# KiCad board H.A.V.O.C. PCB V 1.0.kicad_pcb (continued)
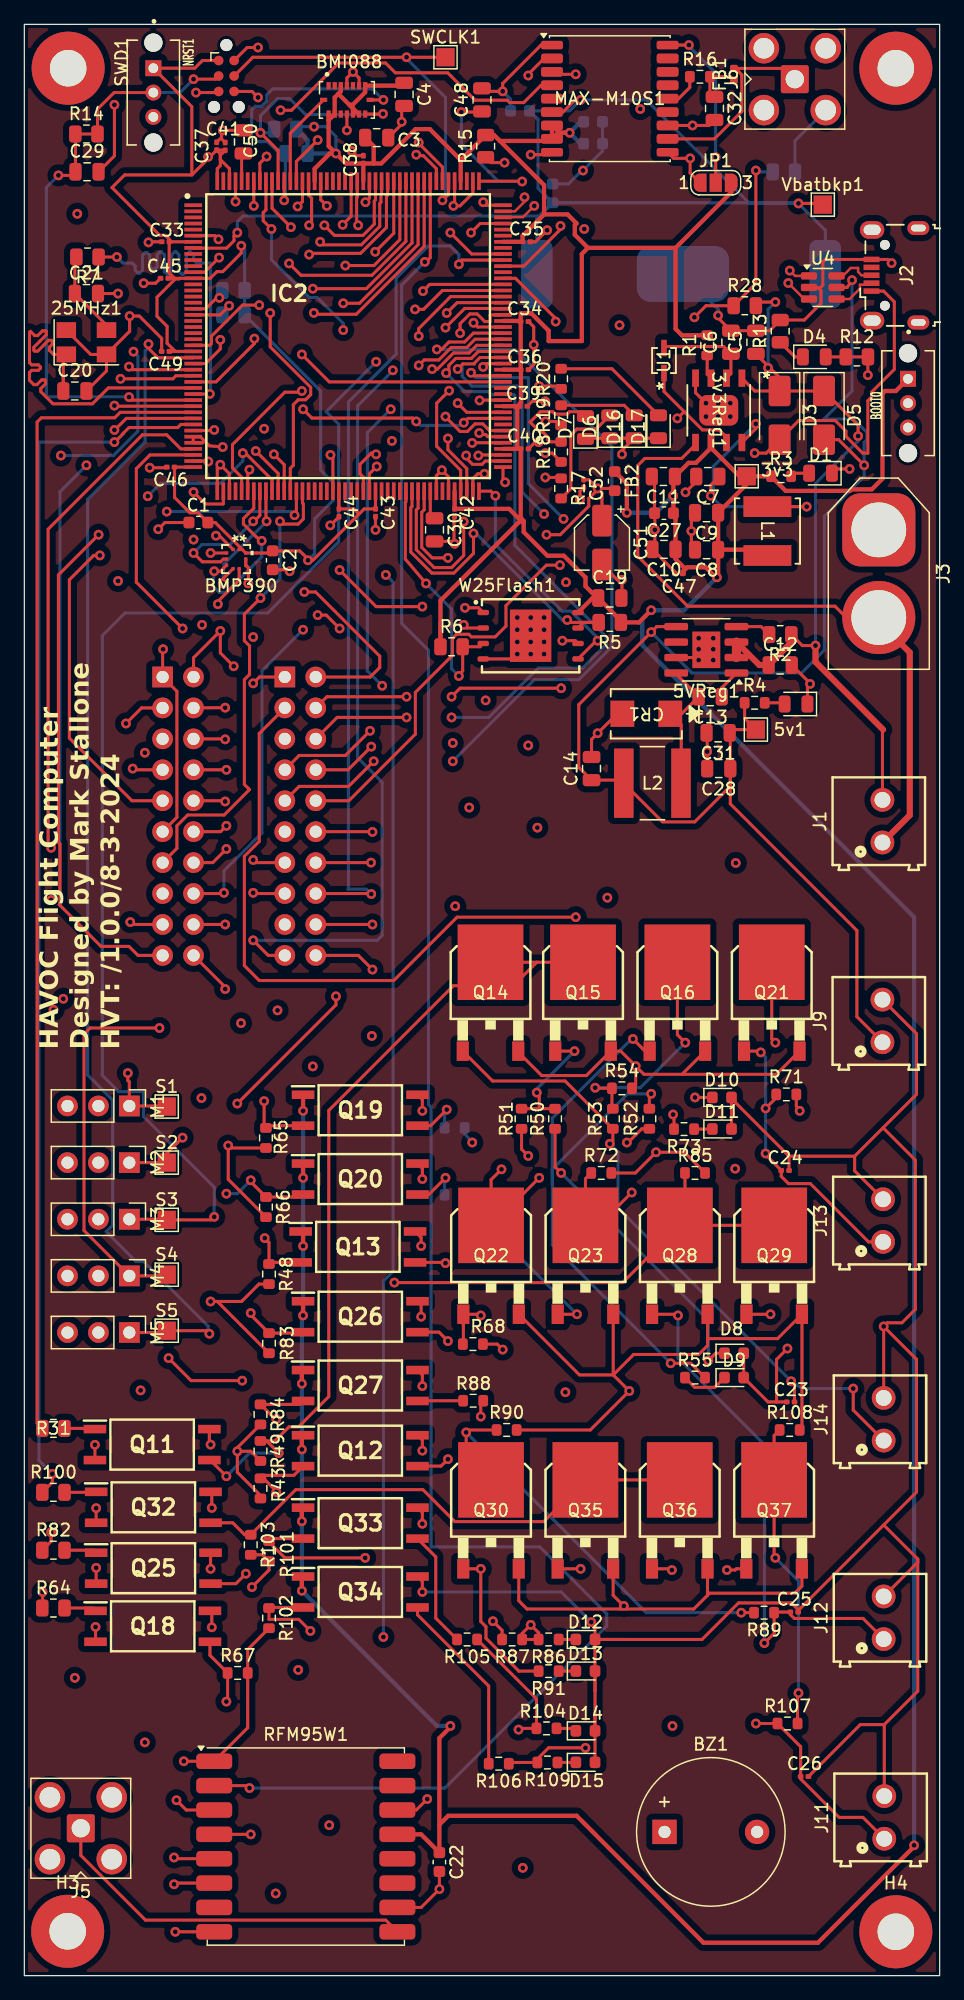
[diagram p0: board, top side]
## Footprints (pads in the part's own frame, mm; a bottom-side part is the same pattern mirrored in y, then rotated)
10LGA_2X2X0p75_BOS
  rect 0.279x0.254 smd: 1(-0.787,0.25) 2(-0.787,-0.25) 6(0.787,-0.25) 7(0.787,0.25)
  rect 0.254x0.279 smd: 3(-0.5,-0.787) 4(0,-0.787) 5(0.5,-0.787) 8(0.5,0.787) 9(0,0.787) 10(-0.5,0.787)
691214110002
  round 1.95 hole 1.3: 1(-1.75,0) 2(1.75,0)
AMASS_XT60-M_1x02_P7.20mm_Vertical
  rrect 6x6 hole 4.5: 1(0,0)
  round 6 hole 4.5: 2(7.2,0)
Buzzer_12x9.5RM7.6
  rect 2x2 hole 1: 1(0,0)
  round 2 hole 1: 2(7.6,0)
C_0201_0603Metric
  rrect 0.318x0.36 smd: (-0.345,0) (0.345,0)
  rrect 0.46x0.4 smd: 1(-0.32,0) 2(0.32,0)
C_0603_1608Metric
  rrect 0.9x0.95 smd: 1(-0.775,0) 2(0.775,0)
C_0805_2012Metric
  rrect 1x1.45 smd: 1(-0.95,0) 2(0.95,0)
CP_Elec_4x5.4
  rrect 2.6x1.6 smd: 1(-1.8,0) 2(1.8,0)
cr 2032 holder
  rrect 2.6x5.6 smd: 1(-11.9,0) 1(11.8,0)
  rrect 7.586x4.586 smd: 2(-0.207,0.007)
Crystal_SMD_5032-4Pin_5.0x3.2mm
  rect 1.6x1.3 smd: 1(-1.65,-1) 2(1.65,-1) 3(1.65,1) 4(-1.65,1)
D-PAK_TO252AA
  rect 1x1.6 smd: 1(-2.28,-4.8) 3(2.28,-4.8)
  rect 5.4x6.2 smd: 2(0,2.5)
D_SMA
  rrect 2.5x1.8 smd: 1(-2,0) 2(2,0)
DIODE_DO214AA_MBRS
  rect 1.956x2.159 smd: 1(-1.968,0) 2(1.968,0)
HOPERF_RFM9XW_SMD
  rrect 2.95x1.27 smd: 1(-7.525,7) 2(-7.525,5) 3(-7.525,3) 4(-7.525,1) 5(-7.525,-1) 6(-7.525,-3) 7(-7.525,-5) 8(-7.525,-7) 9(7.525,-7) 10(7.525,-5) 11(7.525,-3) 12(7.525,-1) 13(7.525,1) 14(7.525,3) 15(7.525,5) 16(7.525,7)
IND_NR6028T4R7M
  rect 1.6x5.7 smd: 1(-2.35,0) 2(2.35,0)
IND_NRS5030_TAY
  rect 1.702x3.937 smd: 1(-2.007,0) 2(2.007,0)
L_0402_1005Metric
  rrect 0.59x0.64 smd: 1(-0.485,0) 2(0.485,0)
L_0603_1608Metric
  rrect 0.875x0.95 smd: 1(-0.787,0) 2(0.787,0)
LED_0603_1608Metric
  rrect 0.875x0.95 smd: 1(-0.787,0) 2(0.787,0)
LED_0805_2012Metric
  rrect 0.975x1.4 smd: 1(-0.938,0) 2(0.938,0)
MountingHole_3mm_Pad
  round 6 hole 3: 1(0,0)
PinHeader_1x03_P2.54mm_Vertical
  rect 1.7x1.7 hole 1: 1(0,0)
  oval 1.7x1.7 hole 1: 2(0,-2.54) 3(0,-5.08)
PinSocket_2x10_P2.54mm_Vertical
  rect 1.7x1.7 hole 1: 1(0,0)
  oval 1.7x1.7 hole 1: 2(-2.54,0) 3(0,-2.54) 4(-2.54,-2.54) 5(0,-5.08) 6(-2.54,-5.08) 7(0,-7.62) 8(-2.54,-7.62) 9(0,-10.16) 10(-2.54,-10.16) 11(0,-12.7) 12(-2.54,-12.7) 13(0,-15.24) 14(-2.54,-15.24) 15(0,-17.78) 16(-2.54,-17.78) 17(0,-20.32) 18(-2.54,-20.32) 19(0,-22.86) 20(-2.54,-22.86)
PQFN50P450X300X100-16N
  rect 0.35x0.59 smd: 1(-1.5,1.165) 2(-1,1.165) 3(-0.5,1.165) 4(0,1.165) 5(0.5,1.165) 6(1,1.165) 7(1.5,1.165) 9(1.5,-1.165) 10(1,-1.165) 11(0.5,-1.165) 12(0,-1.165) 13(-0.5,-1.165) 14(-1,-1.165) 15(-1.5,-1.165)
  rect 0.59x0.35 smd: 8(1.915,0) 16(-1.915,0)
QFP50P2600X2600X160-176N
  rect 1.45x0.3 smd: 1(-12.725,10.75) 2(-12.725,10.25) 3(-12.725,9.75) 4(-12.725,9.25) 5(-12.725,8.75) 6(-12.725,8.25) 7(-12.725,7.75) 8(-12.725,7.25) 9(-12.725,6.75) 10(-12.725,6.25) 11(-12.725,5.75) 12(-12.725,5.25) 13(-12.725,4.75) 14(-12.725,4.25) 15(-12.725,3.75) 16(-12.725,3.25) 17(-12.725,2.75) 18(-12.725,2.25) 19(-12.725,1.75) 20(-12.725,1.25) 21(-12.725,0.75) 22(-12.725,0.25) 23(-12.725,-0.25) 24(-12.725,-0.75) 25(-12.725,-1.25) 26(-12.725,-1.75) 27(-12.725,-2.25) 28(-12.725,-2.75) 29(-12.725,-3.25) 30(-12.725,-3.75) 31(-12.725,-4.25) 32(-12.725,-4.75) 33(-12.725,-5.25) 34(-12.725,-5.75) 35(-12.725,-6.25) 36(-12.725,-6.75) 37(-12.725,-7.25) 38(-12.725,-7.75) 39(-12.725,-8.25) 40(-12.725,-8.75) 41(-12.725,-9.25) 42(-12.725,-9.75) 43(-12.725,-10.25) 44(-12.725,-10.75) 89(12.725,-10.75) 90(12.725,-10.25) 91(12.725,-9.75) 92(12.725,-9.25) 93(12.725,-8.75) 94(12.725,-8.25) 95(12.725,-7.75) 96(12.725,-7.25) 97(12.725,-6.75) 98(12.725,-6.25) 99(12.725,-5.75) 100(12.725,-5.25) 101(12.725,-4.75) 102(12.725,-4.25) 103(12.725,-3.75) 104(12.725,-3.25) 105(12.725,-2.75) 106(12.725,-2.25) 107(12.725,-1.75) 108(12.725,-1.25) 109(12.725,-0.75) 110(12.725,-0.25) 111(12.725,0.25) 112(12.725,0.75) 113(12.725,1.25) 114(12.725,1.75) 115(12.725,2.25) 116(12.725,2.75) 117(12.725,3.25) 118(12.725,3.75) 119(12.725,4.25) 120(12.725,4.75) 121(12.725,5.25) 122(12.725,5.75) 123(12.725,6.25) 124(12.725,6.75) 125(12.725,7.25) 126(12.725,7.75) 127(12.725,8.25) 128(12.725,8.75) 129(12.725,9.25) 130(12.725,9.75) 131(12.725,10.25) 132(12.725,10.75)
  rect 0.3x1.45 smd: 45(-10.75,-12.725) 46(-10.25,-12.725) 47(-9.75,-12.725) 48(-9.25,-12.725) 49(-8.75,-12.725) 50(-8.25,-12.725) 51(-7.75,-12.725) 52(-7.25,-12.725) 53(-6.75,-12.725) 54(-6.25,-12.725) 55(-5.75,-12.725) 56(-5.25,-12.725) 57(-4.75,-12.725) 58(-4.25,-12.725) 59(-3.75,-12.725) 60(-3.25,-12.725) 61(-2.75,-12.725) 62(-2.25,-12.725) 63(-1.75,-12.725) 64(-1.25,-12.725) 65(-0.75,-12.725) 66(-0.25,-12.725) 67(0.25,-12.725) 68(0.75,-12.725) 69(1.25,-12.725) 70(1.75,-12.725) 71(2.25,-12.725) 72(2.75,-12.725) 73(3.25,-12.725) 74(3.75,-12.725) 75(4.25,-12.725) 76(4.75,-12.725) 77(5.25,-12.725) 78(5.75,-12.725) 79(6.25,-12.725) 80(6.75,-12.725) 81(7.25,-12.725) 82(7.75,-12.725) 83(8.25,-12.725) 84(8.75,-12.725) 85(9.25,-12.725) 86(9.75,-12.725) 87(10.25,-12.725) 88(10.75,-12.725) 133(10.75,12.725) 134(10.25,12.725) 135(9.75,12.725) 136(9.25,12.725) 137(8.75,12.725) 138(8.25,12.725) 139(7.75,12.725) 140(7.25,12.725) 141(6.75,12.725) 142(6.25,12.725) 143(5.75,12.725) 144(5.25,12.725) 145(4.75,12.725) 146(4.25,12.725) 147(3.75,12.725) 148(3.25,12.725) 149(2.75,12.725) 150(2.25,12.725) 151(1.75,12.725) 152(1.25,12.725) 153(0.75,12.725) 154(0.25,12.725) 155(-0.25,12.725) 156(-0.75,12.725) 157(-1.25,12.725) 158(-1.75,12.725) 159(-2.25,12.725) 160(-2.75,12.725) 161(-3.25,12.725) 162(-3.75,12.725) 163(-4.25,12.725) 164(-4.75,12.725) 165(-5.25,12.725) 166(-5.75,12.725) 167(-6.25,12.725) 168(-6.75,12.725) 169(-7.25,12.725) 170(-7.75,12.725) 171(-8.25,12.725) 172(-8.75,12.725) 173(-9.25,12.725) 174(-9.75,12.725) 175(-10.25,12.725) 176(-10.75,12.725)
R_0603_1608Metric
  rrect 0.8x0.95 smd: 1(-0.825,0) 2(0.825,0)
R_0805_2012Metric
  rrect 1.025x1.4 smd: 1(-0.912,0) 2(0.912,0)
SMA_Amphenol_901-143_Horizontal
  rrect 2.3x2.3 hole 1.5: 1(0,0)
  round 2.5 hole 1.7: 2(-2.54,2.54) 2(-2.54,-2.54) 2(2.54,2.54) 2(2.54,-2.54)
SOD_16HT1G_ONS
  rect 1.346x0.457 smd: 1(-1.029,0) 2(1.029,0)
SOIC8_3P9X4P9_ONS
  rect 1.422x0.559 smd: 1(-2.642,1.905) 2(-2.642,0.635) 3(-2.642,-0.635) 4(-2.642,-1.905) 5(2.642,-1.905) 6(2.642,-0.635) 7(2.642,0.635) 8(2.642,1.905)
  rrect 2.51x3.2 smd: 4(0,0)
SOIC-8-1EP_3.9x4.9mm_P1.27mm_EP2.29x3mm
  rrect 0.92x1.21 smd: (-0.57,0.75) (-0.57,-0.75) (0.57,0.75) (0.57,-0.75)
  rrect 1.95x0.6 smd: 1(-2.475,1.905) 2(-2.475,0.635) 3(-2.475,-0.635) 4(-2.475,-1.905) 5(2.475,-1.905) 6(2.475,-0.635) 7(2.475,0.635) 8(2.475,1.905)
  rect 2.29x3 smd: 9(0,0)
SolderJumper-3_P1.3mm_Open_RoundedPad1.0x1.5mm_NumberLabels
  custom 1.05x1.5 smd: 1(-1.3,0) 3(1.3,0)
  rect 1x1.5 smd: 2(0,0)
SON127P800X600X80-9N
  rrect 0.94x0.44 smd: 1(-3.895,1.905) 2(-3.895,0.635) 3(-3.895,-0.635) 4(-3.895,-1.905) 5(3.895,-1.905) 6(3.895,-0.635) 7(3.895,0.635) 8(3.895,1.905)
  rect 3.4x4.3 smd: 9(0,0)
SOP254P1015X230-4N
  rect 1.85x0.7 smd: 1(-4.7,1.27) 2(-4.7,-1.27) 3(4.7,-1.27) 4(4.7,1.27)
SOT-23-6
  rrect 1.325x0.6 smd: 1(-1.137,0.95) 2(-1.137,0) 3(-1.137,-0.95) 4(1.137,-0.95) 5(1.137,0) 6(1.137,0.95)
SW_OS102011MS2QN1
  round 1.5 hole 1.5 unplated: (-4.1,0) (4.1,0)
  rect 1.308x1.308 hole 0.8: 1(-2,0)
  round 1.308 hole 0.8: 2(0,0) 3(2,0)
Tag-Connect_TC2030-IDC-NL_2x03_P1.27mm_Vertical
  round 0.991 hole 0.991 unplated: (-2.54,0) (2.54,1.016) (2.54,-1.016)
  round 0.787 smd: 1(-1.27,-0.635) 2(-1.27,0.635) 3(0,-0.635) 4(0,0.635) 5(1.27,-0.635) 6(1.27,0.635)
TestPoint_Pad_1.5x1.5mm
  rect 1.5x1.5 smd: 1(0,0)
ublox_MAX
  rrect 1.8x0.7 smd: 1(-4.75,4.4) 9(-4.75,-4.4) 10(4.75,-4.4) 18(4.75,4.4)
  rrect 1.8x0.8 smd: 2(-4.75,3.3) 3(-4.75,2.2) 4(-4.75,1.1) 5(-4.75,0) 6(-4.75,-1.1) 7(-4.75,-2.2) 8(-4.75,-3.3) 11(4.75,-3.3) 12(4.75,-2.2) 13(4.75,-1.1) 14(4.75,0) 15(4.75,1.1) 16(4.75,2.2) 17(4.75,3.3)
USB_Micro-B_Wuerth_629105150521
  oval 0.8x0.8 hole 0.8 unplated: (-2.5,0.8) (2.5,0.8)
  rect 0.45x1.3 smd: 1(-1.3,1.9) 2(-0.65,1.9) 3(0,1.9) 4(0.65,1.9) 5(1.3,1.9)
  oval 1.15x1.8 hole 0.55x1.2: 6(-3.875,-1.95) 6(3.875,-1.95)
  oval 1.45x2 hole 0.85x1.4: 6(-3.725,1.85) 6(3.725,1.85)

## Nets
5V_OUT_USB: D3.2 IC2.120 J2.1
+3V3: 3v3.1 3v3Reg1.6 BMI088.3 BMI088.7 BMI088.10 BMI088.11 BMI088.14 BMI088.15 BMP390.1 BMP390.10 BOOT0.1 C1.2 C2.1 C3.1 C4.1 C8.1 C9.1 C10.1 C11.1 C16.1 C17.1 C19.1 C22.1 C27.1 C33.1 C34.1 C35.1 C36.1 C37.1 C38.1 C39.1 C40.1 C41.1 C42.1 C43.1 C44.1 C45.1 C46.1 C47.1 C49.1 FB2.1 IC2.7 IC2.13 IC2.25 IC2.44 IC2.65 IC2.71 IC2.84 IC2.92 IC2.99 IC2.105 IC2.113 IC2.126 IC2.136 IC2.152 IC2.160 IC2.174 IC2.176 J7.1 J7.11 JP1.3 L1.2 MAX-M10S1.7 MAX-M10S1.8 NRST1.1 Q12.1 Q13.1 Q19.1 Q20.1 Q26.1 Q27.1 Q33.1 Q34.1 R1.2 R3.1 R5.1 R6.1 R8.1 R9.1 R10.1 R11.1 R15.2 RFM95W1.13 SWD1.1 W25Flash1.8
+5V: 5v1.1 5VReg1.5 C14.1 C28.1 C31.1 D5.2 J7.2 J7.12 J9.1 L2.1 M1.2 M2.2 M3.2 M4.2 M5.2 R4.1 U4.5
GND: 3v3Reg1.4 5VReg1.7 5VReg1.9 25MHz1.2 25MHz1.4 BMI088.4 BMI088.6 BMP390.3 BMP390.8 BMP390.9 BOOT0.3 BT1.2 BZ1.2 C1.1 C2.2 C3.2 C4.2 C5.2 C6.2 C8.2 C9.2 C10.2 C11.2 C12.2 C14.2 C15.2 C16.2 C17.2 C18.2 C19.2 C20.2 C21.2 C22.2 C27.2 C28.2 C29.2 C30.2 C31.2 C32.2 C33.2 C34.2 C35.2 C36.2 C37.2 C38.2 C39.2 C40.2 C41.2 C42.2 C43.2 C44.2 C45.2 C46.2 C47.2 C48.2 C49.2 C50.2 C51.2 C52.2 CR1.2 D1.1 D2.1 D6.1 D7.1 D16.1 D17.1 H1.1 H2.1 H3.1 H4.1 IC2.6 IC2.12 IC2.24 IC2.38 IC2.45 IC2.47 IC2.64 IC2.70 IC2.81 IC2.83 IC2.93 IC2.100 IC2.106 IC2.112 IC2.119 IC2.134 IC2.137 IC2.151 IC2.159 IC2.173 J2.5 J3.1 J5.2 J6.2 J7.5 J7.15 J10.5 JP1.1 M1.3 M2.3 M3.3 M4.3 M5.3 MAX-M10S1.1 MAX-M10S1.10 MAX-M10S1.12 NRST1.3 Q11.2 Q14.3 Q15.3 Q16.3 Q18.2 Q21.3 Q22.3 Q23.3 Q25.2 Q28.3 Q29.3 Q30.3 Q32.2 Q35.3 Q36.3 Q37.3 R13.2 R29.2 R43.2 R48.2 R49.2 R54.2 R65.2 R66.2 R67.2 R72.2 R83.2 R84.2 R85.2 R90.2 R101.2 R102.2 R103.2 R108.2 RFM95W1.1 RFM95W1.8 RFM95W1.10 SWD1.5 U4.2 W25Flash1.4 W25Flash1.9
VBAT: 3v3Reg1.5 J1.1 J3.2
VBat-backup: BT1.1 C15.1 C18.1 IC2.8 MAX-M10S1.6 Vbatbkp1.1
VBAT_SWITCH: 3v3Reg1.1 5VReg1.2 5VReg1.3 C5.1 C12.1 D3.1 D5.1 J1.2 R2.1 R28.2
VDDA: C51.1 C52.1 FB2.2 IC2.39 IC2.40
/GPS_!SAFEBOOT: JP1.2 MAX-M10S1.18
/Power/BST: 3v3Reg1.7 C7.2 U1.1
/Power/DRV: 3v3Reg1.2 C6.1 U1.2
/Power/NCV_RESET: 3v3Reg1.3 R1.1
AUX1_CONT: IC2.150 Q27.2 R84.1
AUX1_SIGNAL: IC2.36 R82.1
AUX2_CONT: IC2.154 Q34.2 R102.1
AUX2_SIGNAL: IC2.37 R100.1
BOOT0: BOOT0.2 D4.2 IC2.167 R12.1 R12.2
BUZZER: BZ1.1 IC2.69
DROGUE_CONT: IC2.146 Q13.2 R48.1
DROGUE_SIGNAL: IC2.35 R31.1
FLASH_!HOLD: IC2.77 R5.2 W25Flash1.7
FLASH_!WP: IC2.76 R6.2 W25Flash1.3
GP_GPIO6: IC2.49 J7.20
GP_GPIO7: IC2.54 J7.10
GP_GPIO8: IC2.55 J7.9
GP_GPIO9: IC2.56 J7.8
GP_GPIO10: IC2.57 J7.7
GP_GPIO18: IC2.97 J10.1
GP_GPIO19: IC2.98 J10.2
GP_GPIO20: IC2.104 J10.3
GP_GPIO21: IC2.107 J10.4
GP_GPIO22: IC2.108 J10.6
GP_GPIO23: IC2.109 J10.7
GP_GPIO24: IC2.110 J10.8
GP_GPIO25: IC2.111 J10.9
GP_GPIO26: IC2.114 J10.10
GP_GPIO27: IC2.115 J10.20
GP_GPIO28: IC2.116 J10.19
GP_GPIO29: IC2.117 J10.18
GP_GPIO30: IC2.118 J10.17
GP_GPIO31: IC2.123 J10.16
GP_GPIO32: IC2.124 J10.15
GP_GPIO33: IC2.129 J10.14
GP_GPIO34: IC2.161 J10.13
GP_GPIO35: IC2.168 J10.12
GP_GPIO36: IC2.170 MAX-M10S1.9 R15.1
GPS_TIMEPULSE: IC2.169 MAX-M10S1.4
HSE_IN: 25MHz1.1 C20.1 IC2.31
HSE_OUT: IC2.32 R7.1
I2C1_SCL: BMI088.8 IC2.165 R9.2
I2C1_SDA: BMI088.9 IC2.166 R8.2
I2C2_CS: IC2.59 J7.13
I2C2_SCL: IC2.19 J7.3 R10.2
I2C2_SDA: IC2.18 J7.4 R11.2
INT_ACC: BMI088.16 IC2.164
INT_GYR: BMI088.12 IC2.163
LED1: IC2.89 R17.1
LED2: IC2.90 R18.1
LED3: IC2.91 R19.1
LED4: IC2.94 R20.1
MAIN_CONT: IC2.148 Q20.2 R66.1
MAIN_SIGNAL: IC2.34 R64.1
NRST: C29.1 IC2.33 NRST1.2 R14.1 R14.2 SWD1.3
PYRO5V: C23.2 C24.2 C25.2 C26.2 D8.2 D9.2 D10.2 D11.2 D12.2 D13.2 D14.2 D15.2 J9.2 J11.2 J12.2 J13.2 J14.2 Q11.4 Q12.4 Q13.4 Q18.4 Q19.4 Q20.4 Q25.4 Q26.4 Q27.4 Q32.4 Q33.4 Q34.4
PYRO_AUX1_FIRED: IC2.149 Q26.2 R83.1
PYRO_AUX2_FIRED: IC2.153 Q33.2 R101.1
PYRO_DROGUE_FIRED: IC2.145 Q12.2 R43.1
PYRO_MAIN_FIRED: IC2.147 Q19.2 R65.1
SERVO1: IC2.43 M1.1 S1.1
SERVO2: IC2.122 M2.1 S2.1
SERVO3: IC2.95 M3.1 S3.1
SERVO4: IC2.103 M4.1 S4.1
SERVO5: IC2.26 M5.1 S5.1
SPI1_CS: BMP390.6 IC2.53
SPI1_INT: BMP390.7 IC2.46
SPI1_MISO: BMP390.5 IC2.51
SPI1_MOSI: BMP390.4 IC2.52
SPI1_SCK: BMP390.2 IC2.50
SPI2_!CS: IC2.79 W25Flash1.1
SPI2_MISO: IC2.87 W25Flash1.2
SPI2_MOSI: IC2.88 W25Flash1.5
SPI2_SCK: IC2.78 W25Flash1.6
SPI3_CS: IC2.139 RFM95W1.5
SPI3_INT: IC2.143 RFM95W1.14
SPI3_MISO: IC2.141 RFM95W1.2
SPI3_MOSI: IC2.142 RFM95W1.3
SPI3_RST: IC2.144 RFM95W1.6
SPI3_SCK: IC2.140 RFM95W1.4
SPI5_CS: IC2.30 J7.16
SPI5_MISO: IC2.28 J7.17
SPI5_MOSI: IC2.29 J7.19
SPI5_SCK: IC2.27 J7.18
SWCLK: IC2.138 SWCLK1.1 SWD1.4
SWDIO: IC2.132 SWD1.2
SWO: IC2.162 SWD1.6
UART4_RX: IC2.42 J7.6
UART4_TX: IC2.41 J7.14
UART5_RX: IC2.85 MAX-M10S1.2
UART5_TX: IC2.86 MAX-M10S1.3
USB_D+: IC2.131 U4.1
USB_D-: IC2.130 U4.3
USB_D_Connector+: J2.3 U4.6
USB_D_Connector-: J2.2 U4.4
V_DETECT: IC2.58 R28.1 R29.1
Net-(3v3Reg1-SW): 3v3Reg1.8 C7.1 L1.1
Net-(5VReg1-BST): 5VReg1.1 C13.1
Net-(5VReg1-PGOOD): 5VReg1.4 R2.2
Net-(5VReg1-SW): 5VReg1.8 C13.2 CR1.1 L2.2
Net-(25MHz1-Pad3): 25MHz1.3 C21.1 R7.2
Net-(C32-Pad1): C32.1 FB1.1 R16.2
Net-(D1-A): D1.2 R3.2
Net-(D2-A): D2.2 R4.2
Net-(D4-K): D4.1 R13.1
Net-(D6-A): D6.2 R17.2
Net-(D7-A): D7.2 R18.2
Net-(D8-K): D8.1 R50.1
Net-(D9-K): D9.1 R55.1
Net-(D10-K): D10.1 R68.1
Net-(D11-K): D11.1 R73.1
Net-(D12-K): D12.1 R86.1
Net-(D13-K): D13.1 R91.1
Net-(D14-K): D14.1 R104.1
Net-(D15-K): D15.1 R109.1
Net-(D16-A): D16.2 R19.2
Net-(D17-A): D17.2 R20.2
Net-(IC2-VCAP_1): C30.1 IC2.80
Net-(IC2-VCAP_2): C48.1 IC2.133
Net-(IC2-VCAP_3): C50.1 IC2.172
Net-(J5-In): J5.1 RFM95W1.9
Net-(J6-In): FB1.2 J6.1 MAX-M10S1.11
Net-(J13-Pin_1): C24.1 J13.1 Q21.1 R71.1
Net-(MAX-M10S1-VCC_RF): MAX-M10S1.14 R16.1
Net-(Q11-A): Q11.1 R31.2
Net-(Q11-E): Q11.3 Q14.2 Q15.2 R49.1
Net-(Q12-E): Q12.3 R51.2
Net-(Q13-E): Q13.3 R52.2
Net-(Q14-D): C23.1 J14.1 Q14.1 R53.1
Net-(Q15-D): Q15.1 R50.2 R51.1
Net-(Q16-D): Q16.1 R52.1 R55.2
Net-(Q16-G): Q16.2 R53.2 R54.1
Net-(Q18-A): Q18.1 R64.2
Net-(Q18-E): Q18.3 Q21.2 Q22.2 R67.1
Net-(Q19-E): Q19.3 R69.2
Net-(Q20-E): Q20.3 R70.2
Net-(Q22-D): Q22.1 R68.2 R69.1
Net-(Q23-D): Q23.1 R70.1 R73.2
Net-(Q23-G): Q23.2 R71.2 R72.1
Net-(Q25-A): Q25.1 R82.2
Net-(Q25-E): Q25.3 Q28.2 Q29.2 R85.1
Net-(Q26-E): Q26.3 R87.2
Net-(Q27-E): Q27.3 R88.2
Net-(Q28-D): C25.1 J12.1 Q28.1 R89.1
Net-(Q29-D): Q29.1 R86.2 R87.1
Net-(Q30-D): Q30.1 R88.1 R91.2
Net-(Q30-G): Q30.2 R89.2 R90.1
Net-(Q32-A): Q32.1 R100.2
Net-(Q32-E): Q32.3 Q35.2 Q36.2 R103.1
Net-(Q33-E): Q33.3 R105.2
Net-(Q34-E): Q34.3 R106.2
Net-(Q35-D): C26.1 J11.1 Q35.1 R107.1
Net-(Q36-D): Q36.1 R104.2 R105.1
Net-(Q37-D): Q37.1 R106.1 R109.2
Net-(Q37-G): Q37.2 R107.2 R108.1

Pads without a net: 5VReg1 6; BMI088 1 2 5 13; IC2 1 2 3 4 5 9 10 11 14 15 16 17 20 21 22 23 48 60 61 62 63 66 67 68 72 73 74 75 82 96 101 102 121 125 127 128 135 155 156 157 158 171 175; J2 4 6; J10 11; MAX-M10S1 5 13 15 16 17; RFM95W1 7 11 12 15 16

## Via types
v1: diameter 0.8, hole 0.4, Top to Bottom, 452 vias

## Routing (per net, layer and track width the routed paths; a pad name or vN(x,y) marks a point on that pad's centre or on a via; arc(x,y) is an arc through that point)
5V_OUT_USB: length 54.1
  Top w0.25: v1(43.65,135.8) 43.65,136.05 40.35,139.35 IC2.120 ; J2.1 70.6,138.3 71.47,137.42 71.47,131.88 69.6,130 69.6,129.6 69.3,129.3 69.3,125 68.88,125 67.5,126.37 67.5,126.8 66.62,127.67 63.62,127.67 D3.2 60.95,125 v1(60,125)
  In2.Cu w0.25: v1(60,125) 54.9,125 44.1,135.8 v1(43.65,135.8)
+3V3: length 652.9
  Top w0.25: J7.11 12.53,95.09 12.53,105.44 J7.1 11.36,108.86 v1(11.4,108.9) ; 16.1,149.58 16.1,148.6 15.85,148.35 IC2.176 ; 16.1,149.58 16.22,149.58 C41.1 16.48,149.88 C37.1 ; 16.1,149.58 C37.1 ; 16.1,149.58 16.1,149.1 16.85,148.35 IC2.174 ; v1(23.3,116.2) 23.4,116.2 ; v1(23.3,116.2) 23.3,116.3 ; v1(23.3,116.2) 23.4,116.2 ; 23.4,116.2 23.3,116.3 ; 23.4,116.2 23.7,116.2 27.5,120 ; 23.3,116.3 22.62,116.97 C2.1 20.22,116.8 BMP390.10 17.9,117.09 ; C37.1 15.24,149.32 v1(15.1,149.32) 15.1,149.18 13.76,147.84 ; 12.75,139.35 IC2.13 15.27,139.35 15.82,139.9 16.3,139.9 17.82,141.42 v1(17.82,142.02) ; 12.75,139.35 12.35,139.35 ; 12.75,139.35 12.7,139.3 12.4,139.3 ; 13.76,147.84 8.24,147.84 7.2,146.8 11.12,142.88 11.59,142.88 11.9,142.56 11.9,142.33 ; 13.76,147.84 13.76,153.44 NRST1.1 14,156.6 14.63,157.23 SWD1.1 ; 11.9,142.33 11.9,139.8 12.35,139.35 ; 11.9,142.33 11.9,142.33 C33.1 IC2.7 ; 27.5,120 27.08,120.42 C44.1 IC2.65 ; 27.5,120 27.92,120.42 C43.1 IC2.71 ; 12.4,139.3 12.35,139.35 ; 12.4,139.3 10.9,137.8 10.9,136.24 11.73,135.41 11.73,134.02 12.4,133.35 ; 12.35,139.35 C45.1 ; 12.4,133.35 IC2.25 ; 12.4,133.35 C49.1 ; BMP390.1 17.9,117.09 ; 17.9,117.09 15.69,119.3 C1.2 14.27,120.1 13.6,120.1 12.34,121.36 C46.1 IC2.44
  Top w0.35: 40.88,119.57 41.03,119.42 41.03,119.22 ; 40.88,119.57 40.78,119.47 ; 40.88,119.57 40.78,119.67 C40.1 40.5,125.35 ; C19.1 47.07,113.1 46.1,114.07 46.1,114.79 44.32,116.57 42.97,116.57 41.03,118.52 41.03,119.22 ; C19.1 49.01,111.24 R5.1 50.5,111.1 v1(51.5,112.1) ; C19.1 46.68,113.1 W25Flash1.8 ; v1(25.6,149.6) 25,150.2 25,152.3 ; v1(25.6,149.6) 26.42,148.78 C38.1 ; v1(25.6,149.6) 25.1,149.6 23.85,148.35 IC2.160 ; 40.5,125.35 40.5,128.65 40.3,128.85 ; 40.5,125.35 IC2.92 ; v1(22.8,37.3) 22.8,38.32 Q33.1 ; 46.3,141.85 53.5,141.85 ; 46.3,141.85 45.22,142.93 45.22,143.72 45.36,143.86 44.62,144.6 42.7,144.6 ; 46.3,141.85 45.8,141.35 45.8,134.2 43.07,134.2 43.07,135.05 41.64,136.48 40.78,136.48 C34.1 ; 53.5,141.85 53.5,135.19 54.03,134.68 R1.2 ; 53.5,141.85 58.1,146.44 JP1.3 ; 28.7,148.78 C38.1 ; 28.7,148.78 29.32,148.78 32.14,151.6 33.31,151.6 35.85,149.06 ; 28.7,148.78 28.7,150.2 C3.1 ; C38.1 IC2.152 ; 39.07,150.63 42.7,147 42.7,144.6 ; 39.07,150.63 38.59,151.11 R15.2 35.85,149.06 ; 39.07,150.63 43.18,150.63 MAX-M10S1.8 ; IC2.84 C42.1 39.83,120.42 40.78,119.47 ; 34.1,12.4 34.82,13.12 45.38,13.12 55.8,2.7 65.2,2.7 73.1,10.6 ; 34.1,12.4 C22.1 32.6,11.6 RFM95W1.13 ; 34.1,12.4 34.1,19.5 35,20.4 v1(35,20.5) ; 25,152.33 BMI088.15 ; 25,152.33 BMI088.14 25.5,154.2 25.8,154.5 ; 25,152.33 25,152.3 ; 25,152.33 25,152.3 ; 56.41,125.44 58.75,123.1 3v3.1 ; 56.41,125.44 3v3Reg1.6 ; 56.41,125.44 55.18,124.2 54.57,124.2 C11.1 53.45,122.85 53.32,122.72 53.32,121.52 v1(53.3,121.5) 53.32,121.47 C27.1 53.32,119.77 53.5,119.6 C10.1 53.5,116.3 54.31,115.49 ; 42.7,144.6 40.94,142.83 C35.1 IC2.126 ; C34.1 C36.1 ; C34.1 40.73,135.85 IC2.113 ; 25.8,154.5 26.7,153.6 ; 25.8,154.5 26,154.7 BMI088.3 ; 26.7,153.6 27,153.3 ; 26.7,153.6 27,153.3 ; 26.7,153.6 26.98,153.6 28,154.62 BMI088.7 30.96,155.16 C4.1 ; Q27.1 22.8,49.62 v1(22.8,48.6) ; 40.78,119.47 34.19,112.89 34.19,110.99 ; 40.78,119.47 41.03,119.22 ; C36.1 40.8,131.83 40.8,129.16 40.69,129.04 C39.1 40.3,128.85 ; C36.1 IC2.105 ; 35.85,149.06 IC2.136 ; 43.95,151.3 v1(44.8,151.3) 43.95,151.3 ; 43.95,151.3 MAX-M10S1.7 MAX-M10S1.8 ; 43.95,151.3 43.85,151.3 MAX-M10S1.8 ; 27,153.3 27.46,152.83 BMI088.10 ; 27,153.3 BMI088.11 ; v1(22.9,59.9) 22.9,60.9 Q13.1 ; C47.1 54.12,115.1 54.12,115.3 54.31,115.49 ; 3v3.1 R3.1 62.55,121.9 67.81,121.9 67.94,122.02 69.62,122.02 70.5,122.9 70.5,129.9 70.7,130.1 71.6,130.1 BOOT0.1 ; 3v3.1 59.35,122.45 C9.1 C8.1 ; Q12.1 22.8,44.27 v1(22.8,43.2) ; Q34.1 22.8,32.67 v1(22.8,31.6) ; v1(22.9,54.2) Q26.1 ; 34.19,110.99 R6.1 34.19,110.99 ; C8.1 57,115 56.9,114.9 v1(56.9,114.8) 56.8,114.8 55.97,115.62 54.45,115.62 54.31,115.49 ; C8.1 60.57,117.07 L1.2 ; 40.3,128.85 IC2.99 ; 73.1,10.6 v1(73.1,10.7) 73.2,10.7 73.1,10.6 ; v1(49.5,120.1) 49.5,122.49 FB2.1 ; v1(22.9,65.5) Q20.1 ; Q19.1 v1(22.9,71)
  In3.Cu w0.25: v1(15.1,149.32) 16.07,150.3 21.8,150.3 23.3,151.8 v1(23.8,151.8) ; v1(11.4,108.9) 16.43,108.9 23.3,115.77 v1(23.3,116.2)
  Bottom w0.25: v1(25.6,149.6) 25.6,151 24.8,151.8 v1(23.8,151.8) 22.55,151.8 R8.1 ; v1(23.3,116.2) 23.85,116.75 23.85,119.6 25.38,121.12 25.38,122.57 24.35,123.6 24.35,130.1 R10.1 R11.1 18.1,141.74 v1(17.82,142.02)
  Bottom w0.35: v1(25.6,149.6) R9.1 23.26,150.69 R8.1 ; v1(22.8,48.6) 22.8,48.5 ; v1(22.8,48.6) 22.8,54.1 v1(22.9,54.2) v1(22.9,59.9) v1(22.9,65.5) v1(22.9,71) ; v1(22.8,48.6) 22.8,48.5 ; 22.8,48.5 v1(22.8,43.2) v1(22.8,37.3) v1(22.8,31.6) 33.9,20.5 v1(35,20.5) ; v1(53.3,121.5) 51.9,120.1 v1(49.5,120.1) ; v1(56.9,114.8) 54.2,112.1 v1(51.5,112.1) ; v1(51.5,112.1) 50.78,111.38 50.78,109.22 73.1,86.9 v1(73.1,10.7) ; v1(51.5,112.1) 51.4,112.1 ; C17.1 45.7,152.2 v1(44.8,151.3) 45.7,150.4 C16.1
+5V: length 244.2
  Top w0.25: C28.1 58,101.7 57.95,101.75 C31.1 58.22,102.3 5v1.1 59.17,103.22 R4.1 ; C28.1 58,97.65 ; C28.1 58,97.65 ; v1(32.7,112.4) 28.9,112.4 v1(25.9,115.4) ; D5.2 66.9,126.1 v1(69,124) ; U4.5 67.6,138.6 v1(68,139.2) 68,139 ; 58,97.65 55.07,94.72 52.42,94.72 L2.1 49,98.15 C14.1 45.55,99.2 45.55,104.35 v1(51.5,110.3) 51.95,110.75 5VReg1.5 ; 58,97.65 58,96.2 68.4,85.8 68.4,78.73 J9.1 ; v1(17.2,107.5) 16.1,108.6 v1(16.1,110.4) 13.9,108.2 J7.2 ; v1(16.6,94.4) 16.12,93.92 J7.12
  In2.Cu w0.25: v1(17.8,78.2) 17.6,78 15.8,78 14.55,76.75 v1(14.55,72.05)
  In3.Cu w0.25: v1(17.2,107.5) 17.32,107.38 17.32,95.12 v1(16.6,94.4) ; M5.2 M4.2 M3.2 M2.2 M1.2 7.78,73.1 10.9,73.1 11.95,72.05 v1(14.55,72.05)
  In6.Cu w0.25: v1(16.1,110.4) 18.27,110.4 23.27,115.4 v1(25.9,115.4) ; v1(17.8,78.2) 17.32,78.67 17.32,93.67 v1(16.6,94.4) ; v1(51.5,110.3) 48.78,113.02 33.32,113.02 v1(32.7,112.4)
  Bottom w0.25: v1(68,139.2) 68,130.1 65.7,127.8 68.12,127.8 69.22,126.7 69.22,126.1 69,125.87 v1(69,124) 69,123.09 65.72,119.81 65.72,108.82 63.85,106.95 54.85,106.95 v1(51.5,110.3)
GND: length 431.9
  Top w0.25: C42.2 35.3,119.73 35.3,117.6 v1(35.35,117.55) 35.15,117.75 C30.2 ; MAX-M10S1.10 53.35,149.2 v1(54.7,149.2) 54.7,148 JP1.1 ; v1(49.25,30.35) 49,30.1 41.3,30.1 40.62,30.78 Q30.3 ; v1(49.25,30.35) 49.5,30.1 55,30.1 56.13,31.23 ; v1(49.25,30.35) 48.37,31.23 Q35.3 ; v1(14.1,154.6) 15.88,154.6 SWD1.5 ; C34.2 41.85,135.37 v1(41.85,133.9) 41.85,132.28 C36.2 ; MAX-M10S1.1 42.45,158.5 39.3,155.35 v1(39.3,154.7) ; C47.2 53.46,115.24 C10.2 51.8,117.3 v1(51.8,118.7) 51.8,120.04 51.78,120.07 51.78,122.85 C11.2 ; D7.1 46.16,126.22 D6.1 D16.1 ; BMI088.6 27.5,155.8 v1(27,156.3) 26.5,155.8 BMI088.4 ; D2.1 64.34,105.84 v1(64.55,106.05) 64.55,106.1 C12.2 ; IC2.119 33.3,138.85 v1(32.75,138.3) ; IC2.81 33.85,123.15 v1(34.3,123.6) 34.85,123.05 IC2.83 ; R103.2 19.57,34.55 R101.2 20.1,33.3 v1(18.7,31.9) ; IC2.106 37.96,132.35 v1(37.69,132.07) ; 48.38,49.32 50.06,51 55.4,51 56.13,51.73 56.13,52.3 ; 48.38,49.32 Q23.3 ; 48.38,49.32 45.61,49.32 40.63,54.3 ; 48.38,49.32 v1(49.7,48) 46.5,44.8 R90.2 ; C51.2 48.71,114.6 v1(49.1,114.6) 49.1,113.15 C19.2 ; 54.03,74 61.79,74 Q21.3 ; 54.03,74 50.9,74 v1(50.22,74.67) ; 54.03,74 55.93,75.9 ; v1(28.85,118.7) C43.2 ; IC2.70 28.35,123.3 v1(28.95,123.9) ; 25MHz1.2 8.65,135 v1(8.65,136.25) 9.45,136.25 11.28,134.42 C49.2 ; 25MHz1.2 5.45,133.1 25MHz1.4 3.45,135.5 ; 25MHz1.2 6.75,131.75 C20.2 ; v1(28.02,145.6) 28.35,145.93 IC2.151 ; R54.2 50.22,73.15 v1(50.22,74.67) ; RFM95W1.10 32.6,5.6 v1(34.1,7.1) C22.2 ; IC2.100 37.42,129.35 v1(37.4,129.32) ; v1(58,128) 57.56,128 3v3Reg1.4 ; C2.2 21.67,115.42 v1(21.8,115.3) ; R48.2 19.27,56.77 17.85,55.35 v1(15.3,55.35) 15.85,55.35 R83.2 ; v1(17.5,43.05) 17.5,43.35 R84.2 ; v1(17.5,43.05) 18.6,43.05 R49.2 ; v1(17.5,43.05) 17.5,41.32 19.4,39.42 ; 39.5,154.5 v1(39.3,154.7) ; v1(39.3,154.7) 37.85,154.7 C48.2 ; C32.2 56.25,151.9 v1(54.9,151.9) MAX-M10S1.12 ; C8.2 54.8,117.37 v1(54.8,118.6) 54.8,119.8 C9.2 ; v1(9.8,138.95) 10.78,138.95 11.18,139.35 ; Q37.3 63.88,31.98 63.3,31.4 56.3,31.4 56.13,31.23 ; 56.13,54.3 56.13,52.3 ; 56.13,52.3 61.89,52.3 Q29.3 63.89,44.99 R108.2 ; 65.3,138.5 65.6,138.8 65.6,140.7 65.8,140.9 J2.5 70.95,140.9 v1(71.25,140.6) ; 65.3,138.5 65.45,138.35 65.45,137.3 64.08,135.93 R13.2 61.22,135.05 C5.2 C6.2 57,136.1 v1(57,136.3) ; 65.3,138.5 65.2,138.6 U4.2 ; v1(45.65,121.2) 45.65,121.87 C52.2 ; 56.13,31.23 56.13,33.4 ; IC2.64 25.35,124.65 v1(25.15,124.85) ; D16.1 49.1,125.22 v1(49.1,124.9) ; D16.1 D17.1 ; v1(11,118.75) 11.55,119.3 C1.1 ; IC2.134 36.85,146.35 35.8,145.3 v1(35.25,145.3) 35.35,145.4 IC2.137 ; 16.2,150.92 C37.2 ; 16.2,150.92 16.2,151.4 ; 16.2,150.92 16.2,151.4 ; 16.2,150.92 16.2,150.8 C41.2 ; v1(15.3,116.8) BMP390.3 ; v1(15.6,126.9) 15.55,126.85 IC2.38 ; IC2.45 15.85,123.8 v1(16.1,124.05) 16.85,123.3 IC2.47 ; 18.29,115.69 BMP390.8 ; 18.29,115.69 BMP390.8 ; 18.29,115.69 18.4,115.59 v1(18.4,114.3) ; BMP390.8 18.19,116.05 ; v1(50.22,74.67) 49,75.9 Q15.3 46.18,73.9 42.5,73.9 40.58,75.82 Q14.3 ; 5VReg1.7 55.19,108.21 v1(55.4,108) ; IC2.159 24.35,145.8 v1(24.85,145.3) ; v1(19.3,137.15) 17.92,137.15 15.38,134.6 15.38,134 15.23,133.85 IC2.24 ; 3v3Reg1.4 57.64,129.1 v1(58,129.1) ; 3v3Reg1.4 57,128.56 v1(57,129.1) ; 3v3Reg1.4 57,128.46 v1(57,128) ; 3v3Reg1.4 56.54,128 v1(56,128) ; 3v3Reg1.4 56.46,129.1 v1(56,129.1) 55.14,129.95 3v3Reg1.4 ; v1(42.95,143.3) 42,142.35 C35.2 ; 15.36,3.64 15.4,3.6 RFM95W1.8 v1(12.4,3.6) ; v1(67.8,123.7) 66.7,123.7 D1.1 ; R102.2 18.35,26.78 R67.2 18.35,20.35 RFM95W1.1 v1(13.1,17.6) ; 18.19,116.05 BMP390.9 18.19,116.05 ; IC2.112 37.25,135.35 v1(36.9,135.7) ; R85.2 54.22,67.6 v1(51.9,67.6) 50.2,65.9 R72.2 ; C29.2 7.4,149.4 v1(7.4,153.6) ; C3.2 31,152 v1(31,152.2) 31,153.3 C4.2 ; v1(25.13,119.06) C44.2 ; CR1.2 48.7,103.6 v1(47.1,102) 46.6,101.5 C14.2 ; IC2.12 14.8,139.85 v1(16,141.05) ; v1(10.2,142.3) 10.25,142.35 C33.2 ; v1(15.95,142.55) 15.65,142.85 IC2.6 ; C39.2 41.72,129.25 v1(42.8,129.25) ; C31.2 56.1,101.98 v1(56.1,100.5) C28.2 ; C21.2 v1(7.7,138.1) ; R65.2 16.95,67.95 v1(16.75,68.15) 16.75,65.38 R66.2 ; IC2.93 36.8,125.85 v1(36.79,125.83) ; v1(5.85,28.63) Q18.2 ; C46.2 11.65,123.8 v1(10.3,123.8) ; v1(26.9,149.8) 27.28,149.42 C38.2 ; v1(40.5,108.5) 40.1,108.1 W25Flash1.4 ; C50.2 v1(16.3,151.5) 16.2,151.4 ; v1(5.8,43.58) Q11.2 ; v1(5.9,33.48) Q25.2 ; v1(17.35,145.65) IC2.173 ; C40.2 41.97,125.9 v1(42.25,125.9) ; v1(5.9,38.38) Q32.2
  GND w0.25: 69.8,154.8 H2.1 ; 2.1,5.1 H3.1
  In3.Cu w0.25: 18.4,114.4 18.3,114.3 v1(18.4,114.3) 18.4,114.4 ; 18.4,114.4 19.3,115.3 v1(21.8,115.3)
  Bottom w0.25: C15.2 44.7,147.1 45.8,148.2 v1(45.9,148.2) 47.5,149.8 C16.2 C17.2 ; v1(39.3,154.7) 39.95,154.05 C18.2 ; BT1.2 57,136.81 v1(57,136.3) ; J6.2 63.31,150.63 R29.2
  vias: v1(4.15,24.45) v1(4.35,144.65) v1(9.55,48.05) v1(9.9,100.4) v1(9.9,19.15) v1(20.65,6.75) v1(22.5,25.1) v1(23.7,74.65) v1(25.05,12.35) v1(28.55,77.15) v1(36.55,95.9) v1(40.5,111.5) v1(40.5,110.5) v1(40.5,109.5) v1(40.95,8.85) v1(41.4,101) v1(41.6,111.5) v1(41.6,110.5) v1(41.6,109.5) v1(41.6,108.5) v1(42.15,94.25) v1(42.7,111.5) v1(42.7,110.5) v1(42.7,109.5) v1(42.7,108.5) v1(44.45,47.9) v1(48.9,135.5) v1(50.6,153.25) v1(53.25,20.5) v1(55.4,109.8) v1(55.4,108.9) v1(56.6,109.8) v1(56.6,108.9) v1(56.6,108) v1(58.45,91.35) v1(58.4,66.25)
VBAT: length 55.2
  Top w0.25: 69.75,111.63 67.4,111.63 66.6,112.43 54.5,112.43 50.4,116.53 50.4,123.98 50.97,124.56 54,124.56 55.25,125.8
  Top w0.5: J1.1 72.75,95.27 72.75,108.63 69.75,111.63
VBat-backup: length 104.3
  Top w0.25: Vbatbkp1.1 65.5,145.5 v1(63.6,145.5) ; IC2.8 13.9,141.82 16.61,141.82 17.22,142.44 17.22,142.82 v1(17.5,143.1) ; MAX-M10S1.6 44.25,153 45.25,154 v1(45.7,154)
  Bottom w0.25: v1(63.6,145.5) 65.8,143.3 BT1.1 ; v1(63.6,145.5) 63.55,145.55 59.53,145.55 ; v1(63.6,145.5) 59.57,145.5 59.53,145.55 ; 59.53,145.55 51.07,154 v1(45.7,154) 44.8,153.1 C18.1 42.2,152.4 42.2,146.75 C15.1 ; 59.53,145.55 C15.1 ; C15.1 42.1,144.25 BT1.1 ; C15.1 42.31,144.47 17.97,144.47 17.5,144 v1(17.5,143.1)
VBAT_SWITCH: length 67.5
  Top w0.25: D3.1 D5.1 68.5,127.3 68.5,126.5 ; D3.1 62.05,131.2 61.25,132 v1(61.1,132) 61.1,132.15 C5.1 ; D3.1 60.01,130.1 3v3Reg1.1 ; v1(61.7,137.4) 60.4,137.4 R28.2 ; v1(65,109.2) 63.91,109.2 R2.1 63.01,109.46 ; 68.5,126.5 v1(68.5,126.4) 68.5,126.5 ; J1.2 70.5,102.25 70.55,102.3
  Top w0.5: v1(65,109.2) 65,107.85 70.55,102.3 ; 63.01,109.46 C12.1 60.39,107.6 5VReg1.3
  Top w0.75: 5VReg1.3 5VReg1.2
  Bottom w0.25: v1(61.1,132) 61.1,136.8 v1(61.7,137.4) ; v1(68.5,126.4) 68.5,126 65,122.5 65,109.3 ; 65,109.3 v1(65,109.2) 65,109.3
VDDA: length 46.8
  Top w0.25: FB2.2 48.31,122.1 v1(47.1,122.1) ; v1(42.9,118.3) 44.03,118.3 46.38,120.65 46.38,121.27 47.1,122 v1(47.1,122.1) ; 14.8,126 14.65,125.85 IC2.40 IC2.39 14.45,126.35 14.8,126 ; 14.8,126 15.2,125.6 v1(16.3,125.5) 16.4,125.6 ; C52.1 46.38,122.82 v1(47.1,122.1) ; v1(47.1,122.1) 47.45,121.75 C51.1
  GND w0.25: v1(30.2,126) 30.3,126
  In3.Cu w0.25: v1(30.2,126) 35.42,120.77 41.07,120.77 41.97,119.88 41.97,119.7 42.9,118.77 v1(42.9,118.3) ; 47.05,122.05 v1(47.1,122.1)
  In5.Cu w0.25: v1(30.2,126) 16.8,126 v1(16.3,125.5)
/GPS_!SAFEBOOT: length 14.1
  Top w0.25: JP1.2 v1(56.8,149.3) ; MAX-M10S1.18 v1(54.6,158.5)
  Bottom w0.25: 54.5,158.5 v1(54.6,158.5) 54.6,158.4 56.8,156.2 v1(56.8,149.3)
/Power/BST: length 17.4
  Top w0.25: v1(54.32,121.78) 55.2,122.67 C7.2 ; 54.21,128.4 55.71,126.91 57.08,126.91 57.69,126.3 3v3Reg1.7 ; 54.21,128.4 52.55,130.06 U1.1 ; 54.21,128.4 54.2,128.4 v1(53.65,127.85)
  In3.Cu w0.25: v1(54.32,121.78) 54.21,121.89 54.21,127.29 v1(53.65,127.85)
/Power/DRV: length 7.9
  Top w0.25: 3v3Reg1.2 58.05,131.52 C6.1 57.45,133.75 52.67,133.75 U1.2
/Power/NCV_RESET: length 2
  Top w0.25: 3v3Reg1.3 56.1,131.47 R1.1
AUX1_CONT: length 119.5
  Top w0.25: v1(20.7,45.7) 20.6,45.7 R84.1 22.62,46.9 Q27.2 ; IC2.150 28.85,145.79 28.75,145.69 28.75,143.8 27.82,142.88 25.47,142.88 v1(24.65,143.7)
  In2.Cu w0.25: v1(24.65,143.7) 24.65,143.28 25.32,142.6 25.32,125.7 25.88,125.15 25.88,116.4 25.17,115.7 25.17,111.38 22.7,108.9 22.7,80.14 25.5,77.34 25.5,45.8 25.4,45.7 v1(20.7,45.7)
AUX1_SIGNAL: length 105.8
  Top w0.25: R82.1 2.2,35.66 v1(2.2,36.4) ; v1(7.4,126.9) 7.43,126.9 8.38,127.85 IC2.36
  In3.Cu w0.25: 2.1,36.4 2.2,36.3 v1(2.2,36.4) 2.1,36.4 ; 2.1,36.4 1.4,37.1 1.4,126.9 v1(7.4,126.9)
AUX2_CONT: length 128.9
  Top w0.25: IC2.154 26.85,144.45 v1(26.15,143.75) ; Q34.2 20.43,30.23 20.38,30.17 R102.1 20.1,29.25 22.55,29.25 v1(23.5,28.3)
  In2.Cu w0.25: v1(23.5,28.3) 26.92,31.72 26.92,110.89 27.1,111.07 27.1,143 26.8,143.3 26.6,143.3 v1(26.15,143.75)
AUX2_SIGNAL: length 100.3
  Top w0.25: v1(2.3,41.2) 2.3,40.5 R100.1 ; v1(7.4,125.9) 7.43,125.9 8.12,126.6 8.12,126.62 8.6,127.1 12.6,127.1 12.85,127.35 IC2.37
  Bottom w0.25: v1(2.3,41.2) 1.2,42.3 1.2,125.9 v1(7.4,125.9)
BOOT0: length 67.4
  Top w0.25: 69.3,132.89 R12.2 ; 69.3,132.89 v1(69.3,131.4) ; 69.3,132.89 69.29,132.9 R12.1 D4.2 ; v1(21.9,143.55) 20.35,145.1 IC2.167
  In5.Cu w0.25: BOOT0.2 71.6,129.1 v1(69.3,131.4) 56.12,144.57 35,144.57 33.4,142.97 22.47,142.97 v1(21.9,143.55)
BUZZER: length 168.7
  Top w0.25: IC2.69 27.85,123.02 27.57,123.3 27.57,124.07 28.5,125 v1(28.9,124.9) 28.9,125
  In3.Cu w0.25: v1(28.9,124.9) 34.07,119.72 34.07,114.22 34.1,114.2 34.1,111.87 39.07,106.9 66.2,106.9 66.2,8.9 63.3,6 58.4,6 BZ1.1
